# KiCad board 8ch-mosfet.kicad_pcb
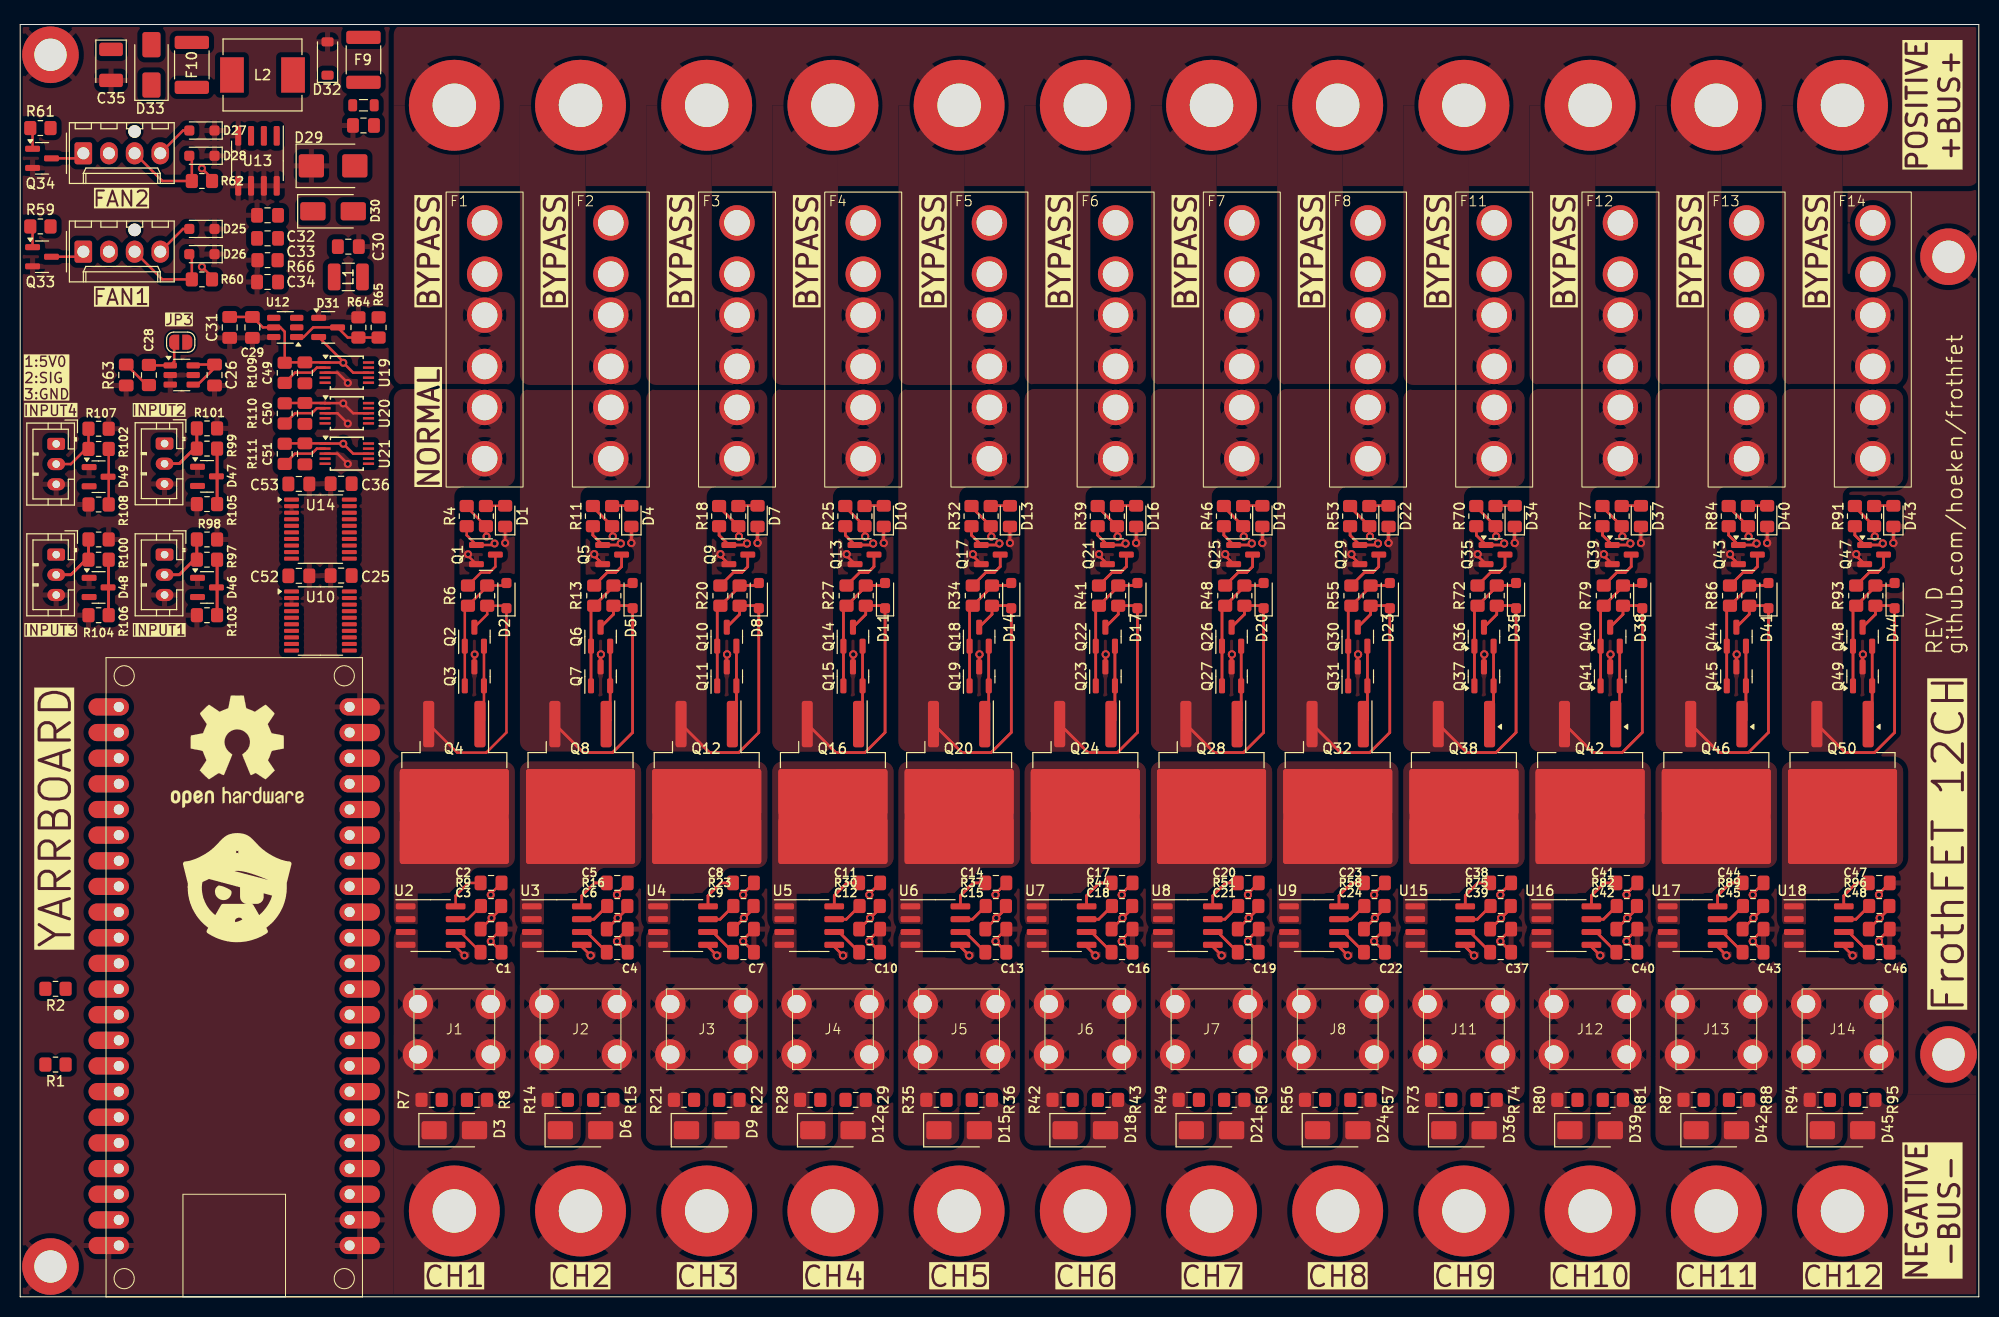
[diagram p0: board, top side]
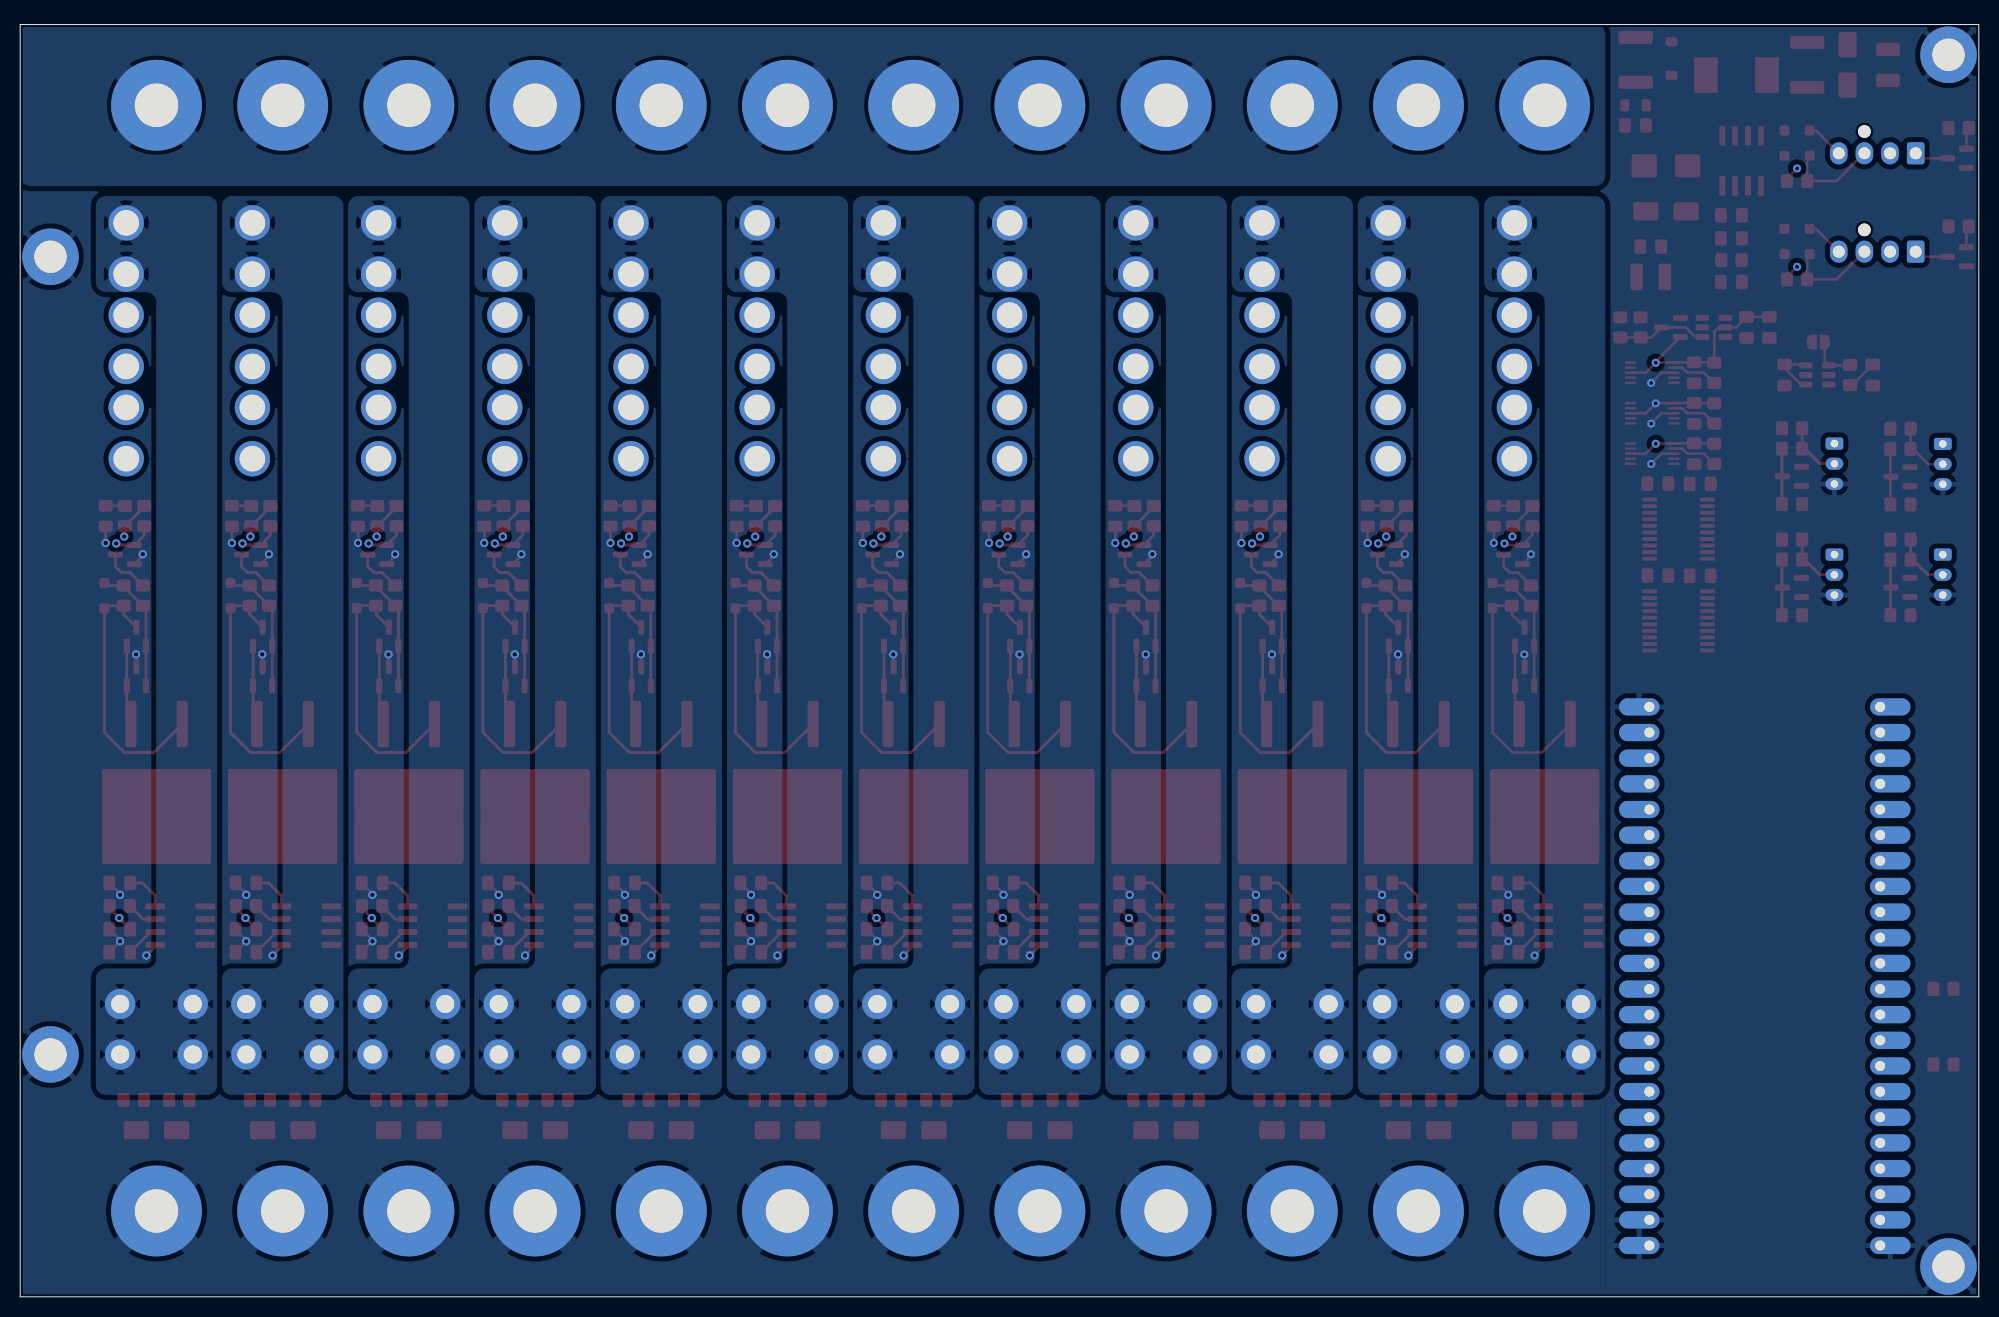
[diagram p1: board, bottom side, seen from below]

Outline 194 x 126 mm; copper layers: Top, In1.Cu, In2.Cu, Bottom. Coordinates in mm from the lower left corner of the outline.
Outline path: 0,126 194,126 194,0 0,0 0,126
Stack: Top 0.07mm / dielectric 0.1mm FR4 er 4.5 / In1.Cu 0.035mm / dielectric 1.24mm FR4 er 4.5 / In2.Cu 0.035mm / dielectric 0.1mm FR4 er 4.5 / Bottom 0.07mm

## Placement (name value [footprint] x y rotation side)
C1  1nF  [C_0805_2012Metric_Pad1.18x1.45mm_HandSolder]  46.64 34.13 0 top
C2  100nF  [C_0805_2012Metric_Pad1.18x1.45mm_HandSolder]  46.64 40.99 0 top
C3  4.7nF  [C_0805_2012Metric_Pad1.18x1.45mm_HandSolder]  46.64 36.41 0 top
C4  1nF  [C_0805_2012Metric_Pad1.18x1.45mm_HandSolder]  59.14 34.13 0 top
C5  100nF  [C_0805_2012Metric_Pad1.18x1.45mm_HandSolder]  59.14 40.99 0 top
C6  4.7nF  [C_0805_2012Metric_Pad1.18x1.45mm_HandSolder]  59.14 36.41 0 top
C7  1nF  [C_0805_2012Metric_Pad1.18x1.45mm_HandSolder]  71.64 34.13 0 top
C8  100nF  [C_0805_2012Metric_Pad1.18x1.45mm_HandSolder]  71.64 40.99 0 top
C9  4.7nF  [C_0805_2012Metric_Pad1.18x1.45mm_HandSolder]  71.64 36.41 0 top
C10  1nF  [C_0805_2012Metric_Pad1.18x1.45mm_HandSolder]  84.14 34.13 0 top
C11  100nF  [C_0805_2012Metric_Pad1.18x1.45mm_HandSolder]  84.14 40.99 0 top
C12  4.7nF  [C_0805_2012Metric_Pad1.18x1.45mm_HandSolder]  84.14 36.41 0 top
C13  1nF  [C_0805_2012Metric_Pad1.18x1.45mm_HandSolder]  96.64 34.13 0 top
C14  100nF  [C_0805_2012Metric_Pad1.18x1.45mm_HandSolder]  96.64 40.99 0 top
C15  4.7nF  [C_0805_2012Metric_Pad1.18x1.45mm_HandSolder]  96.64 36.41 0 top
C16  1nF  [C_0805_2012Metric_Pad1.18x1.45mm_HandSolder]  109.14 34.13 0 top
C17  100nF  [C_0805_2012Metric_Pad1.18x1.45mm_HandSolder]  109.14 40.99 0 top
C18  4.7nF  [C_0805_2012Metric_Pad1.18x1.45mm_HandSolder]  109.14 36.41 0 top
C19  1nF  [C_0805_2012Metric_Pad1.18x1.45mm_HandSolder]  121.64 34.13 0 top
C20  100nF  [C_0805_2012Metric_Pad1.18x1.45mm_HandSolder]  121.64 40.99 0 top
C21  4.7nF  [C_0805_2012Metric_Pad1.18x1.45mm_HandSolder]  121.64 36.41 0 top
C22  1nF  [C_0805_2012Metric_Pad1.18x1.45mm_HandSolder]  134.14 34.13 0 top
C23  100nF  [C_0805_2012Metric_Pad1.18x1.45mm_HandSolder]  134.14 40.99 0 top
C24  4.7nF  [C_0805_2012Metric_Pad1.18x1.45mm_HandSolder]  134.14 36.41 0 top
C25  100nF  [C_0805_2012Metric_Pad1.18x1.45mm_HandSolder]  31.79 71.42 180 top
C26  100nF  [C_0805_2012Metric_Pad1.18x1.45mm_HandSolder]  19.25 91.29 270 top
C27  10nF  [C_0805_2012Metric_Pad1.18x1.45mm_HandSolder]  34 116 180 top
C28  100nF  [C_0805_2012Metric_Pad1.18x1.45mm_HandSolder]  10.5 91.29 270 top
C29  10uF  [C_0805_2012Metric_Pad1.18x1.45mm_HandSolder]  23 96 270 top
C30  470nF/50v  [C_0805_2012Metric_Pad1.18x1.45mm_HandSolder]  32.5 104 0 top
C31  100nF  [C_0805_2012Metric_Pad1.18x1.45mm_HandSolder]  20.75 96 270 top
C32  1uF/50v  [C_0805_2012Metric_Pad1.18x1.45mm_HandSolder]  24.5 107.1 180 top
C33  4.7uF/50v  [C_0805_2012Metric_Pad1.18x1.45mm_HandSolder]  24.5 104.82 180 top
C34  22uF/35v  [C_0805_2012Metric_Pad1.18x1.45mm_HandSolder]  24.5 100.5 180 top
C35  100uF / 10v  [CP_EIA-3528-21_Kemet-B]  9 122 270 top
C36  100nF  [C_0805_2012Metric_Pad1.18x1.45mm_HandSolder]  31.79 80.53 180 top
C37  1nF  [C_0805_2012Metric_Pad1.18x1.45mm_HandSolder]  146.64 34.13 0 top
C38  100nF  [C_0805_2012Metric_Pad1.18x1.45mm_HandSolder]  146.64 40.99 0 top
C39  4.7nF  [C_0805_2012Metric_Pad1.18x1.45mm_HandSolder]  146.64 36.41 0 top
C40  1nF  [C_0805_2012Metric_Pad1.18x1.45mm_HandSolder]  159.14 34.13 0 top
C41  100nF  [C_0805_2012Metric_Pad1.18x1.45mm_HandSolder]  159.14 40.99 0 top
C42  4.7nF  [C_0805_2012Metric_Pad1.18x1.45mm_HandSolder]  159.14 36.41 0 top
C43  1nF  [C_0805_2012Metric_Pad1.18x1.45mm_HandSolder]  171.64 34.13 0 top
C44  100nF  [C_0805_2012Metric_Pad1.18x1.45mm_HandSolder]  171.64 40.99 0 top
C45  4.7nF  [C_0805_2012Metric_Pad1.18x1.45mm_HandSolder]  171.64 36.41 0 top
C46  1nF  [C_0805_2012Metric_Pad1.18x1.45mm_HandSolder]  184.14 34.13 0 top
C47  100nF  [C_0805_2012Metric_Pad1.18x1.45mm_HandSolder]  184.14 40.99 0 top
C48  4.7nF  [C_0805_2012Metric_Pad1.18x1.45mm_HandSolder]  184.14 36.41 0 top
C49  100nF  [C_0805_2012Metric_Pad1.18x1.45mm_HandSolder]  28.2 91.5 270 top
C50  100nF  [C_0805_2012Metric_Pad1.18x1.45mm_HandSolder]  28.2 87.48 270 top
C51  100nF  [C_0805_2012Metric_Pad1.18x1.45mm_HandSolder]  28.2 83.48 270 top
C52  100nF  [C_0805_2012Metric_Pad1.18x1.45mm_HandSolder]  27.6 71.4 0 top
C53  100nF  [C_0805_2012Metric_Pad1.18x1.45mm_HandSolder]  27.6 80.5 0 top
D1  LED  [LED_0805_2012Metric_Pad1.15x1.40mm_HandSolder]  48.03 77.31 90 top
D2  15V  [D_SOD-323_HandSoldering]  48.16 69.44 90 top
D3  SS16  [D_SMA]  43 16.5 0 top
D4  LED  [LED_0805_2012Metric_Pad1.15x1.40mm_HandSolder]  60.53 77.31 90 top
D5  15V  [D_SOD-323_HandSoldering]  60.66 69.44 90 top
D6  SS16  [D_SMA]  55.5 16.5 0 top
D7  LED  [LED_0805_2012Metric_Pad1.15x1.40mm_HandSolder]  73.03 77.31 90 top
D8  15V  [D_SOD-323_HandSoldering]  73.16 69.44 90 top
D9  SS16  [D_SMA]  68 16.5 0 top
D10  LED  [LED_0805_2012Metric_Pad1.15x1.40mm_HandSolder]  85.53 77.31 90 top
D11  15V  [D_SOD-323_HandSoldering]  85.66 69.44 90 top
D12  SS16  [D_SMA]  80.5 16.5 0 top
D13  LED  [LED_0805_2012Metric_Pad1.15x1.40mm_HandSolder]  98.03 77.31 90 top
D14  15V  [D_SOD-323_HandSoldering]  98.16 69.44 90 top
D15  SS16  [D_SMA]  93 16.5 0 top
D16  LED  [LED_0805_2012Metric_Pad1.15x1.40mm_HandSolder]  110.53 77.31 90 top
D17  15V  [D_SOD-323_HandSoldering]  110.66 69.44 90 top
D18  SS16  [D_SMA]  105.5 16.5 0 top
D19  LED  [LED_0805_2012Metric_Pad1.15x1.40mm_HandSolder]  123.03 77.31 90 top
D20  15V  [D_SOD-323_HandSoldering]  123.16 69.44 90 top
D21  SS16  [D_SMA]  118 16.5 0 top
D22  LED  [LED_0805_2012Metric_Pad1.15x1.40mm_HandSolder]  135.53 77.31 90 top
D23  15V  [D_SOD-323_HandSoldering]  135.66 69.44 90 top
D24  SS16  [D_SMA]  130.5 16.5 0 top
D25  PESD3V3L1BA  [D_SOD-323_HandSoldering]  18 105.76 180 top
D26  PESD3V3L1BA  [D_SOD-323_HandSoldering]  18 103.26 180 top
D27  PESD3V3L1BA  [D_SOD-323_HandSoldering]  18 115.5 180 top
D28  PESD3V3L1BA  [D_SOD-323_HandSoldering]  18 113 180 top
D29  SMBJ30CA  [D_SMB]  30.99 112 0 top
D30  SX33L  [D_SMA]  30.99 107.5 0 top
D31  BAT54S  [SOT-23]  30.5 96 0 top
D32  DSK24  [D_SOD-123]  30.44 122.63 90 top
D33  SX33L  [D_SMA]  13 122 90 top
D34  LED  [LED_0805_2012Metric_Pad1.15x1.40mm_HandSolder]  148.03 77.31 90 top
D35  15V  [D_SOD-323_HandSoldering]  148.16 69.44 90 top
D36  SS16  [D_SMA]  143 16.5 0 top
D37  LED  [LED_0805_2012Metric_Pad1.15x1.40mm_HandSolder]  160.53 77.31 90 top
D38  15V  [D_SOD-323_HandSoldering]  160.66 69.44 90 top
D39  SS16  [D_SMA]  155.5 16.5 0 top
D40  LED  [LED_0805_2012Metric_Pad1.15x1.40mm_HandSolder]  173.03 77.31 90 top
D41  15V  [D_SOD-323_HandSoldering]  173.16 69.44 90 top
D42  SS16  [D_SMA]  168 16.5 0 top
D43  LED  [LED_0805_2012Metric_Pad1.15x1.40mm_HandSolder]  185.53 77.31 90 top
D44  15V  [D_SOD-323_HandSoldering]  185.66 69.44 90 top
D45  SS16  [D_SMA]  180.5 16.5 0 top
D46  BAT54S  [SOT-23]  18.5 70.25 0 top
D47  BAT54S  [SOT-23]  18.5 81.25 0 top
D48  BAT54S  [SOT-23]  7.77 70.25 0 top
D49  BAT54S  [SOT-23]  7.77 81.22 0 top
F1  25A  [ATC Bypass Fuse]  46 94.67 90 top
F2  25A  [ATC Bypass Fuse]  58.5 94.67 90 top
F3  25A  [ATC Bypass Fuse]  71 94.67 90 top
F4  25A  [ATC Bypass Fuse]  83.5 94.67 90 top
F5  25A  [ATC Bypass Fuse]  96 94.67 90 top
F6  25A  [ATC Bypass Fuse]  108.5 94.67 90 top
F7  25A  [ATC Bypass Fuse]  121 94.67 90 top
F8  25A  [ATC Bypass Fuse]  133.5 94.67 90 top
F9  mSMD050-60V  [Fuse_1812_4532Metric_Pad1.30x3.40mm_HandSolder]  34 122.5 90 top
F10  mSMD110  [Fuse_1812_4532Metric_Pad1.30x3.40mm_HandSolder]  17 122 90 top
F11  25A  [ATC Bypass Fuse]  146 94.67 90 top
F12  25A  [ATC Bypass Fuse]  158.5 94.67 90 top
F13  25A  [ATC Bypass Fuse]  171 94.67 90 top
F14  25A  [ATC Bypass Fuse]  183.5 94.67 90 top
FAN1  Fan_4pin  [Molex 0470531000]  6.25 103.5 0 top
FAN2  Fan_4pin  [Molex 0470531000]  6.25 113.24 0 top
FB1  GZ2012D601TF  [L_0805_2012Metric]  34 118 0 top
H1  MountingHole  [MountingHole_3.2mm_M3_DIN965_Pad]  3 3 0 top
H2  MountingHole  [MountingHole_3.2mm_M3_DIN965_Pad]  3 123 0 top
H3  MountingHole  [MountingHole_3.2mm_M3_DIN965_Pad]  191 103 0 top
H4  MountingHole  [MountingHole_3.2mm_M3_DIN965_Pad]  191 24 0 top
INPUT1  Conn_01x03  [JST_PH_B3B-PH-K_1x03_P2.00mm_Vertical]  14.3 73.5 270 top
INPUT2  Conn_01x03  [JST_PH_B3B-PH-K_1x03_P2.00mm_Vertical]  14.3 84.5 270 top
INPUT3  Conn_01x03  [JST_PH_B3B-PH-K_1x03_P2.00mm_Vertical]  3.56 73.5 270 top
INPUT4  Conn_01x03  [JST_PH_B3B-PH-K_1x03_P2.00mm_Vertical]  3.56 84.47 270 top
J1  Conn_01x01  [T44001]  43 26.5 90 top
J2  Conn_01x01  [T44001]  55.5 26.5 90 top
J3  Conn_01x01  [T44001]  68 26.5 90 top
J4  Conn_01x01  [T44001]  80.5 26.5 90 top
J5  Conn_01x01  [T44001]  93 26.5 90 top
J6  Conn_01x01  [T44001]  105.5 26.5 90 top
J7  Conn_01x01  [T44001]  118 26.5 90 top
J8  Conn_01x01  [T44001]  130.5 26.5 90 top
J9  Screw_Terminal_01x12  [Busbar Rev D]  43 118 0 top
J10  Screw_Terminal_01x12  [Busbar Rev D]  43 8.5 0 top
J11  Conn_01x01  [T44001]  143 26.5 90 top
J12  Conn_01x01  [T44001]  155.5 26.5 90 top
J13  Conn_01x01  [T44001]  168 26.5 90 top
J14  Conn_01x01  [T44001]  180.5 26.5 90 top
JP3  SolderJumper_2_Open  [SolderJumper-2_P1.3mm_Open_RoundedPad1.0x1.5mm]  15.9 94.54 0 top
L1  CBC3225T100KR  [L_1210_3225Metric]  32.5 101 180 top
L2  SMMS0650-680M  [L_Chilisin_BMRB00060650]  24 121 180 top
LOGO1  Logo_Open_Hardware_Small  [OSHW-Logo2_14.6x12mm_SilkScreen]  21.5 54 0 top
Q1  2N7002  [SOT-23]  46.13 73.5 0 top
Q2  BC846  [SOT-23]  44.99 65.37 90 top
Q3  BC856  [SOT-23]  44.99 61.44 90 top
Q4  IPB110P06LM  [TO-263-2]  43 49.07 270 top
Q5  2N7002  [SOT-23]  58.63 73.5 0 top
Q6  BC846  [SOT-23]  57.49 65.37 90 top
Q7  BC856  [SOT-23]  57.49 61.44 90 top
Q8  IPB110P06LM  [TO-263-2]  55.5 49.07 270 top
Q9  2N7002  [SOT-23]  71.13 73.5 0 top
Q10  BC846  [SOT-23]  69.99 65.37 90 top
Q11  BC856  [SOT-23]  69.99 61.44 90 top
Q12  IPB110P06LM  [TO-263-2]  68 49.07 270 top
Q13  2N7002  [SOT-23]  83.63 73.5 0 top
Q14  BC846  [SOT-23]  82.49 65.37 90 top
Q15  BC856  [SOT-23]  82.49 61.44 90 top
Q16  IPB110P06LM  [TO-263-2]  80.5 49.07 270 top
Q17  2N7002  [SOT-23]  96.13 73.5 0 top
Q18  BC846  [SOT-23]  94.99 65.37 90 top
Q19  BC856  [SOT-23]  94.99 61.44 90 top
Q20  IPB110P06LM  [TO-263-2]  93 49.07 270 top
Q21  2N7002  [SOT-23]  108.63 73.5 0 top
Q22  BC846  [SOT-23]  107.49 65.37 90 top
Q23  BC856  [SOT-23]  107.49 61.44 90 top
Q24  IPB110P06LM  [TO-263-2]  105.5 49.07 270 top
Q25  2N7002  [SOT-23]  121.13 73.5 0 top
Q26  BC846  [SOT-23]  119.99 65.37 90 top
Q27  BC856  [SOT-23]  119.99 61.44 90 top
Q28  IPB110P06LM  [TO-263-2]  118 49.07 270 top
Q29  2N7002  [SOT-23]  133.63 73.5 0 top
Q30  BC846  [SOT-23]  132.49 65.37 90 top
Q31  BC856  [SOT-23]  132.49 61.44 90 top
Q32  IPB110P06LM  [TO-263-2]  130.5 49.07 270 top
Q33  2N7002  [SOT-23]  2.16 103 0 top
Q34  2N7002  [SOT-23]  2.16 112.74 0 top
Q35  2N7002  [SOT-23]  146.13 73.5 0 top
Q36  BC846  [SOT-23]  144.99 65.37 90 top
Q37  BC856  [SOT-23]  144.99 61.44 90 top
Q38  IPB110P06LM  [TO-263-2]  143 49.07 270 top
Q39  2N7002  [SOT-23]  158.63 73.5 0 top
Q40  BC846  [SOT-23]  157.49 65.37 90 top
Q41  BC856  [SOT-23]  157.49 61.44 90 top
Q42  IPB110P06LM  [TO-263-2]  155.5 49.07 270 top
Q43  2N7002  [SOT-23]  171.13 73.5 0 top
Q44  BC846  [SOT-23]  169.99 65.37 90 top
Q45  BC856  [SOT-23]  169.99 61.44 90 top
Q46  IPB110P06LM  [TO-263-2]  168 49.07 270 top
Q47  2N7002  [SOT-23]  183.63 73.5 0 top
Q48  BC846  [SOT-23]  182.49 65.37 90 top
Q49  BC856  [SOT-23]  182.49 61.44 90 top
Q50  IPB110P06LM  [TO-263-2]  180.5 49.07 270 top
R1  2.2k  [R_0805_2012Metric_Pad1.20x1.40mm_HandSolder]  3.5 23 180 top
R2  2.2k  [R_0805_2012Metric_Pad1.20x1.40mm_HandSolder]  3.5 30.5 180 top
R3  1k  [R_0805_2012Metric_Pad1.20x1.40mm_HandSolder]  46.13 77.31 270 top
R4  220R  [R_0805_2012Metric_Pad1.20x1.40mm_HandSolder]  44.22 77.31 270 top
R5  27k  [R_0805_2012Metric_Pad1.20x1.40mm_HandSolder]  46.26 69.44 270 top
R6  4.7k  [R_0805_2012Metric_Pad1.20x1.40mm_HandSolder]  44.35 69.44 270 top
R7  300K  [R_0805_2012Metric_Pad1.20x1.40mm_HandSolder]  40.75 19.5 180 top
R8  22K  [R_0805_2012Metric_Pad1.20x1.40mm_HandSolder]  45.25 19.5 180 top
R9  1k  [R_0805_2012Metric_Pad1.20x1.40mm_HandSolder]  46.64 38.7 180 top
R10  1k  [R_0805_2012Metric_Pad1.20x1.40mm_HandSolder]  58.63 77.31 270 top
R11  220R  [R_0805_2012Metric_Pad1.20x1.40mm_HandSolder]  56.72 77.31 270 top
R12  27k  [R_0805_2012Metric_Pad1.20x1.40mm_HandSolder]  58.76 69.44 270 top
R13  4.7k  [R_0805_2012Metric_Pad1.20x1.40mm_HandSolder]  56.85 69.44 270 top
R14  300K  [R_0805_2012Metric_Pad1.20x1.40mm_HandSolder]  53.25 19.5 180 top
R15  22K  [R_0805_2012Metric_Pad1.20x1.40mm_HandSolder]  57.75 19.5 180 top
R16  1k  [R_0805_2012Metric_Pad1.20x1.40mm_HandSolder]  59.14 38.7 180 top
R17  1k  [R_0805_2012Metric_Pad1.20x1.40mm_HandSolder]  71.13 77.31 270 top
R18  220R  [R_0805_2012Metric_Pad1.20x1.40mm_HandSolder]  69.22 77.31 270 top
R19  27k  [R_0805_2012Metric_Pad1.20x1.40mm_HandSolder]  71.26 69.44 270 top
R20  4.7k  [R_0805_2012Metric_Pad1.20x1.40mm_HandSolder]  69.35 69.44 270 top
R21  300K  [R_0805_2012Metric_Pad1.20x1.40mm_HandSolder]  65.75 19.5 180 top
R22  22K  [R_0805_2012Metric_Pad1.20x1.40mm_HandSolder]  70.25 19.5 180 top
R23  1k  [R_0805_2012Metric_Pad1.20x1.40mm_HandSolder]  71.64 38.7 180 top
R24  1k  [R_0805_2012Metric_Pad1.20x1.40mm_HandSolder]  83.63 77.31 270 top
R25  220R  [R_0805_2012Metric_Pad1.20x1.40mm_HandSolder]  81.72 77.31 270 top
R26  27k  [R_0805_2012Metric_Pad1.20x1.40mm_HandSolder]  83.76 69.44 270 top
R27  4.7k  [R_0805_2012Metric_Pad1.20x1.40mm_HandSolder]  81.85 69.44 270 top
R28  300K  [R_0805_2012Metric_Pad1.20x1.40mm_HandSolder]  78.25 19.5 180 top
R29  22K  [R_0805_2012Metric_Pad1.20x1.40mm_HandSolder]  82.75 19.5 180 top
R30  1k  [R_0805_2012Metric_Pad1.20x1.40mm_HandSolder]  84.14 38.7 180 top
R31  1k  [R_0805_2012Metric_Pad1.20x1.40mm_HandSolder]  96.13 77.31 270 top
R32  220R  [R_0805_2012Metric_Pad1.20x1.40mm_HandSolder]  94.22 77.31 270 top
R33  27k  [R_0805_2012Metric_Pad1.20x1.40mm_HandSolder]  96.26 69.44 270 top
R34  4.7k  [R_0805_2012Metric_Pad1.20x1.40mm_HandSolder]  94.35 69.44 270 top
R35  300K  [R_0805_2012Metric_Pad1.20x1.40mm_HandSolder]  90.75 19.5 180 top
R36  22K  [R_0805_2012Metric_Pad1.20x1.40mm_HandSolder]  95.25 19.5 180 top
R37  1k  [R_0805_2012Metric_Pad1.20x1.40mm_HandSolder]  96.64 38.7 180 top
R38  1k  [R_0805_2012Metric_Pad1.20x1.40mm_HandSolder]  108.63 77.31 270 top
R39  220R  [R_0805_2012Metric_Pad1.20x1.40mm_HandSolder]  106.72 77.31 270 top
R40  27k  [R_0805_2012Metric_Pad1.20x1.40mm_HandSolder]  108.76 69.44 270 top
R41  4.7k  [R_0805_2012Metric_Pad1.20x1.40mm_HandSolder]  106.85 69.44 270 top
R42  300K  [R_0805_2012Metric_Pad1.20x1.40mm_HandSolder]  103.25 19.5 180 top
R43  22K  [R_0805_2012Metric_Pad1.20x1.40mm_HandSolder]  107.75 19.5 180 top
R44  1k  [R_0805_2012Metric_Pad1.20x1.40mm_HandSolder]  109.14 38.7 180 top
R45  1k  [R_0805_2012Metric_Pad1.20x1.40mm_HandSolder]  121.13 77.31 270 top
R46  220R  [R_0805_2012Metric_Pad1.20x1.40mm_HandSolder]  119.22 77.31 270 top
R47  27k  [R_0805_2012Metric_Pad1.20x1.40mm_HandSolder]  121.26 69.44 270 top
R48  4.7k  [R_0805_2012Metric_Pad1.20x1.40mm_HandSolder]  119.35 69.44 270 top
R49  300K  [R_0805_2012Metric_Pad1.20x1.40mm_HandSolder]  115.75 19.5 180 top
R50  22K  [R_0805_2012Metric_Pad1.20x1.40mm_HandSolder]  120.25 19.5 180 top
R51  1k  [R_0805_2012Metric_Pad1.20x1.40mm_HandSolder]  121.64 38.7 180 top
R52  1k  [R_0805_2012Metric_Pad1.20x1.40mm_HandSolder]  133.63 77.31 270 top
R53  220R  [R_0805_2012Metric_Pad1.20x1.40mm_HandSolder]  131.72 77.31 270 top
R54  27k  [R_0805_2012Metric_Pad1.20x1.40mm_HandSolder]  133.76 69.44 270 top
R55  4.7k  [R_0805_2012Metric_Pad1.20x1.40mm_HandSolder]  131.85 69.44 270 top
R56  300K  [R_0805_2012Metric_Pad1.20x1.40mm_HandSolder]  128.25 19.5 180 top
R57  22K  [R_0805_2012Metric_Pad1.20x1.40mm_HandSolder]  132.75 19.5 180 top
R58  1k  [R_0805_2012Metric_Pad1.20x1.40mm_HandSolder]  134.14 38.7 180 top
R59  1k  [R_0805_2012Metric_Pad1.20x1.40mm_HandSolder]  2 106 0 top
R60  1k  [R_0805_2012Metric_Pad1.20x1.40mm_HandSolder]  18 100.76 0 top
R61  1k  [R_0805_2012Metric_Pad1.20x1.40mm_HandSolder]  2 115.74 0 top
R62  1k  [R_0805_2012Metric_Pad1.20x1.40mm_HandSolder]  18 110.5 0 top
R63  10k  [R_0805_2012Metric_Pad1.20x1.40mm_HandSolder]  12.75 91.29 90 top
R64  300K 0.1%  [R_0805_2012Metric_Pad1.20x1.40mm_HandSolder]  35.5 96 90 top
R65  22K 0.1%  [R_0805_2012Metric_Pad1.20x1.40mm_HandSolder]  33.5 96 270 top
R66  4.7R  [R_0805_2012Metric_Pad1.20x1.40mm_HandSolder]  24.5 102.66 180 top
R69  1k  [R_0805_2012Metric_Pad1.20x1.40mm_HandSolder]  146.13 77.31 270 top
R70  220R  [R_0805_2012Metric_Pad1.20x1.40mm_HandSolder]  144.22 77.31 270 top
R71  27k  [R_0805_2012Metric_Pad1.20x1.40mm_HandSolder]  146.26 69.44 270 top
R72  4.7k  [R_0805_2012Metric_Pad1.20x1.40mm_HandSolder]  144.35 69.44 270 top
R73  300K  [R_0805_2012Metric_Pad1.20x1.40mm_HandSolder]  140.75 19.5 180 top
R74  22K  [R_0805_2012Metric_Pad1.20x1.40mm_HandSolder]  145.25 19.5 180 top
R75  1k  [R_0805_2012Metric_Pad1.20x1.40mm_HandSolder]  146.64 38.7 180 top
R76  1k  [R_0805_2012Metric_Pad1.20x1.40mm_HandSolder]  158.63 77.31 270 top
R77  220R  [R_0805_2012Metric_Pad1.20x1.40mm_HandSolder]  156.72 77.31 270 top
R78  27k  [R_0805_2012Metric_Pad1.20x1.40mm_HandSolder]  158.76 69.44 270 top
R79  4.7k  [R_0805_2012Metric_Pad1.20x1.40mm_HandSolder]  156.85 69.44 270 top
R80  300K  [R_0805_2012Metric_Pad1.20x1.40mm_HandSolder]  153.25 19.5 180 top
R81  22K  [R_0805_2012Metric_Pad1.20x1.40mm_HandSolder]  157.75 19.5 180 top
R82  1k  [R_0805_2012Metric_Pad1.20x1.40mm_HandSolder]  159.14 38.7 180 top
R83  1k  [R_0805_2012Metric_Pad1.20x1.40mm_HandSolder]  171.13 77.31 270 top
R84  220R  [R_0805_2012Metric_Pad1.20x1.40mm_HandSolder]  169.22 77.31 270 top
R85  27k  [R_0805_2012Metric_Pad1.20x1.40mm_HandSolder]  171.26 69.44 270 top
R86  4.7k  [R_0805_2012Metric_Pad1.20x1.40mm_HandSolder]  169.35 69.44 270 top
R87  300K  [R_0805_2012Metric_Pad1.20x1.40mm_HandSolder]  165.75 19.5 180 top
R88  22K  [R_0805_2012Metric_Pad1.20x1.40mm_HandSolder]  170.25 19.5 180 top
R89  1k  [R_0805_2012Metric_Pad1.20x1.40mm_HandSolder]  171.64 38.7 180 top
R90  1k  [R_0805_2012Metric_Pad1.20x1.40mm_HandSolder]  183.63 77.31 270 top
R91  220R  [R_0805_2012Metric_Pad1.20x1.40mm_HandSolder]  181.72 77.31 270 top
R92  27k  [R_0805_2012Metric_Pad1.20x1.40mm_HandSolder]  183.76 69.44 270 top
R93  4.7k  [R_0805_2012Metric_Pad1.20x1.40mm_HandSolder]  181.85 69.44 270 top
R94  300K  [R_0805_2012Metric_Pad1.20x1.40mm_HandSolder]  178.25 19.5 180 top
R95  22K  [R_0805_2012Metric_Pad1.20x1.40mm_HandSolder]  182.75 19.5 180 top
R96  1k  [R_0805_2012Metric_Pad1.20x1.40mm_HandSolder]  184.14 38.7 180 top
R97  10.2K 0.1%  [R_0805_2012Metric_Pad1.20x1.40mm_HandSolder]  18.5 73 180 top
R98  249 0.1%  [R_0805_2012Metric_Pad1.20x1.40mm_HandSolder]  18.5 75 180 top
R99  10.2K 0.1%  [R_0805_2012Metric_Pad1.20x1.40mm_HandSolder]  18.5 84 180 top
R100  10.2K 0.1%  [R_0805_2012Metric_Pad1.20x1.40mm_HandSolder]  7.77 73 180 top
R101  249 0.1%  [R_0805_2012Metric_Pad1.20x1.40mm_HandSolder]  18.5 86 180 top
R102  10.2K 0.1%  [R_0805_2012Metric_Pad1.20x1.40mm_HandSolder]  7.77 83.97 180 top
R103  19.8K 0.1%  [R_0805_2012Metric_Pad1.20x1.40mm_HandSolder]  18.5 67.5 0 top
R104  249 0.1%  [R_0805_2012Metric_Pad1.20x1.40mm_HandSolder]  7.77 75 180 top
R105  19.8K 0.1%  [R_0805_2012Metric_Pad1.20x1.40mm_HandSolder]  18.5 78.5 0 top
R106  19.8K 0.1%  [R_0805_2012Metric_Pad1.20x1.40mm_HandSolder]  7.77 67.5 0 top
R107  249 0.1%  [R_0805_2012Metric_Pad1.20x1.40mm_HandSolder]  7.77 85.97 180 top
R108  19.8K 0.1%  [R_0805_2012Metric_Pad1.20x1.40mm_HandSolder]  7.77 78.47 0 top
R109  10k  [R_0805_2012Metric_Pad1.20x1.40mm_HandSolder]  26.2 91.5 90 top
R110  10k  [R_0805_2012Metric_Pad1.20x1.40mm_HandSolder]  26.2 87.48 90 top
R111  10k  [R_0805_2012Metric_Pad1.20x1.40mm_HandSolder]  26.2 83.48 90 top
REF**  -  [Logo Small]  21.5 40.5 0 top
U1  ~  [Waveshare-ESP32-S3-dev-kit]  8.5 0 0 top
U2  ACS725xLCTR-20AU  [ACS7XX]  40.65 36.76 0 top